# KiCad board Type 1 Termination Board v3 design.kicad_pcb (continued)
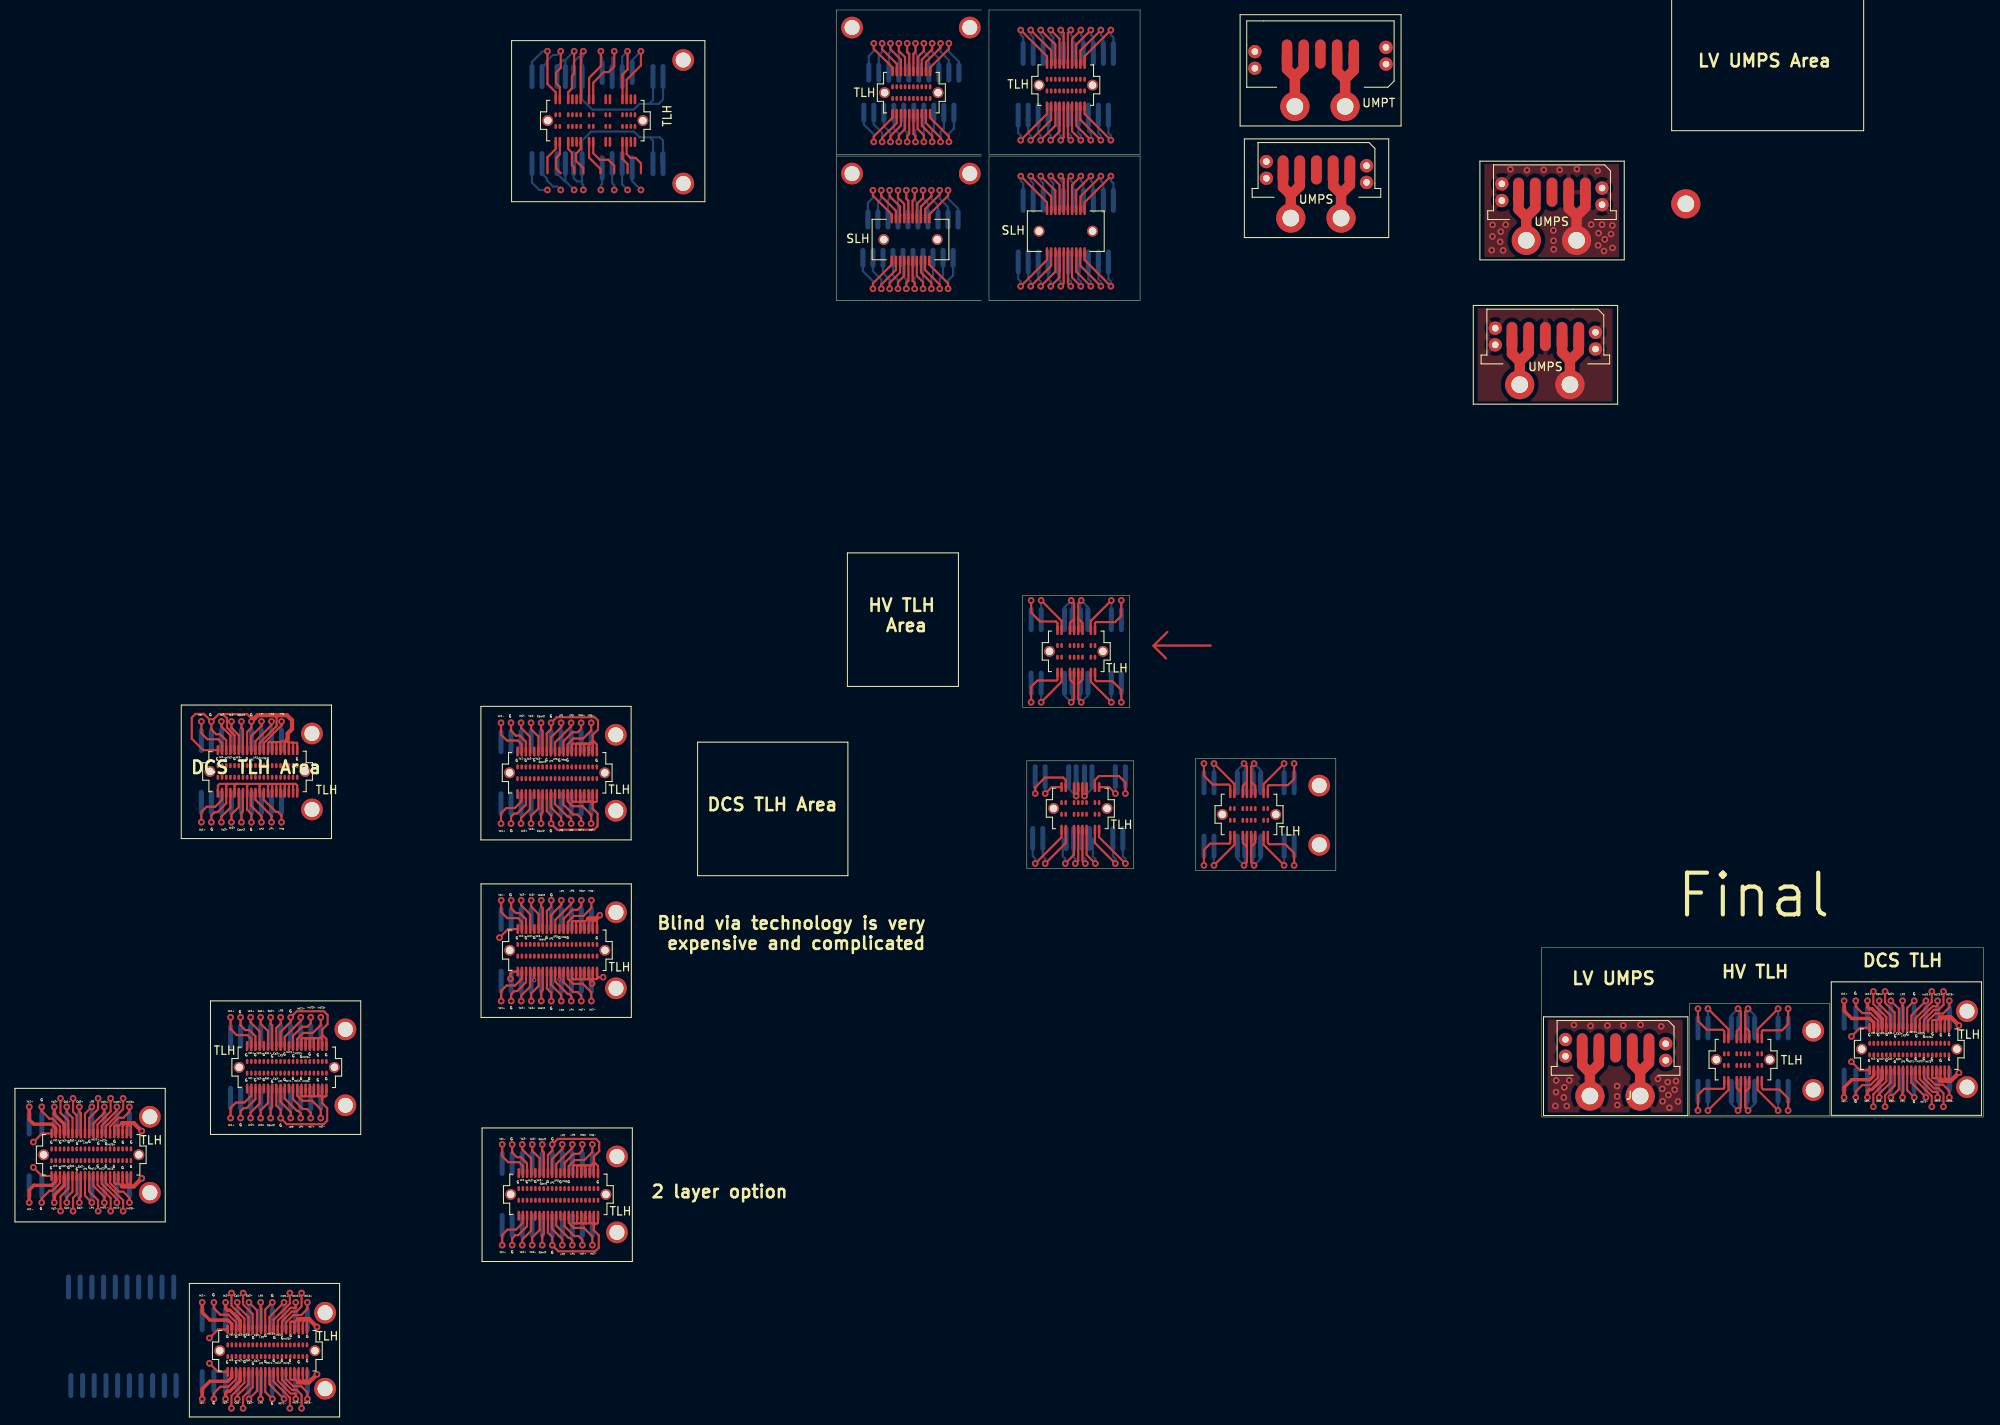
[diagram p0: board, top side]
## Routing (per net, layer and track width the routed paths; a pad name or vN(x,y) marks a point on that pad's centre or on a via; arc(x,y) is an arc through that point) (continued)
/LV: length 9.6
  Top w1.25: UMPS#2.5 -2.78,108.75 -1.85,107.82 ; UMPS#2.4 -0.78,108.89 -1.85,107.82 ; -1.85,107.82 REF**#13.1

## Copper pours and planes (outline as drawn; the poured copper is in the pictures)
GND on Top: 9.27,114.2 9.27,103.03 -6.89,103.03 -6.89,114.2
GND on Top: 8.48,96.91 8.48,85.74 -7.68,85.74 -7.68,96.91
GND on Top: 16.89,11.67 16.89,0.5 0.73,0.5 0.73,11.67
GND on Bottom: -109.16,-2.11 -109.16,-16.82 -125.81,-16.82 -125.81,-2.11
GND on Bottom: -7.03,114.35 9.39,114.34 9.4,102.9 -7.02,102.9
GND on Bottom: -7.82,97.06 8.6,97.05 8.61,85.61 -7.81,85.61
GND on Bottom: 0.59,11.82 17.01,11.81 17.02,0.37 0.6,0.37
GND on InF.Cu: -158.57,13.26 -141.76,13.26 -141.76,-1.68 -158.58,-1.68
GND on InF.Cu: -126.16,27.28 -109.35,27.28 -109.35,12.34 -126.17,12.34
GND on InF.Cu: -182.46,2.76 -165.19,2.76 -165.19,-12.18 -182.46,-12.18
GND on InF.Cu: -161.66,-20.52 -144.25,-20.52 -144.25,-35.49 -161.66,-35.49
(no net) on InF.Cu: 35.01,15.62 52.42,15.62 52.42,0.65 35.01,0.65

## Text on the board
B.SilkS: Vc1- | Vc1+ | Vc2- | Vc2+ | Cp1+ | Cp1- | Cp2- | Cp2+ | LP1 | LP2 | IntT1- | IntT1+ | IntT2- | IntT2+ | IntT3- | IntT3+ | LP1_rtn | LP2_rtn | G
F.SilkS: Vc1+ | Vc1- | Vc2+ | Vc2- | Cp1+ | Cp1- | Cp2+ | Cp2- | LP1 | LP2 | IntT1- | IntT1+ | IntT2- | IntT2+ | IntT3- | IntT3+ | Vc3- | Vc3+ | Cpwr2 | LP3 | Intq | LP4 | IntT+ | IntT- | Vcan2 | Vcan1 | Intq+ | Intq- | G | DCS TLH Area | 2 layer option | Blind via technology is very / expensive and complicated | HV TLH / Area | LV UMPS | HV TLH | LV UMPS Area | DCS TLH | Final | Area available on PP0
